# Altium PCB EVK-NORA-W40.PcbDoc (part 1 of 5) (continued)
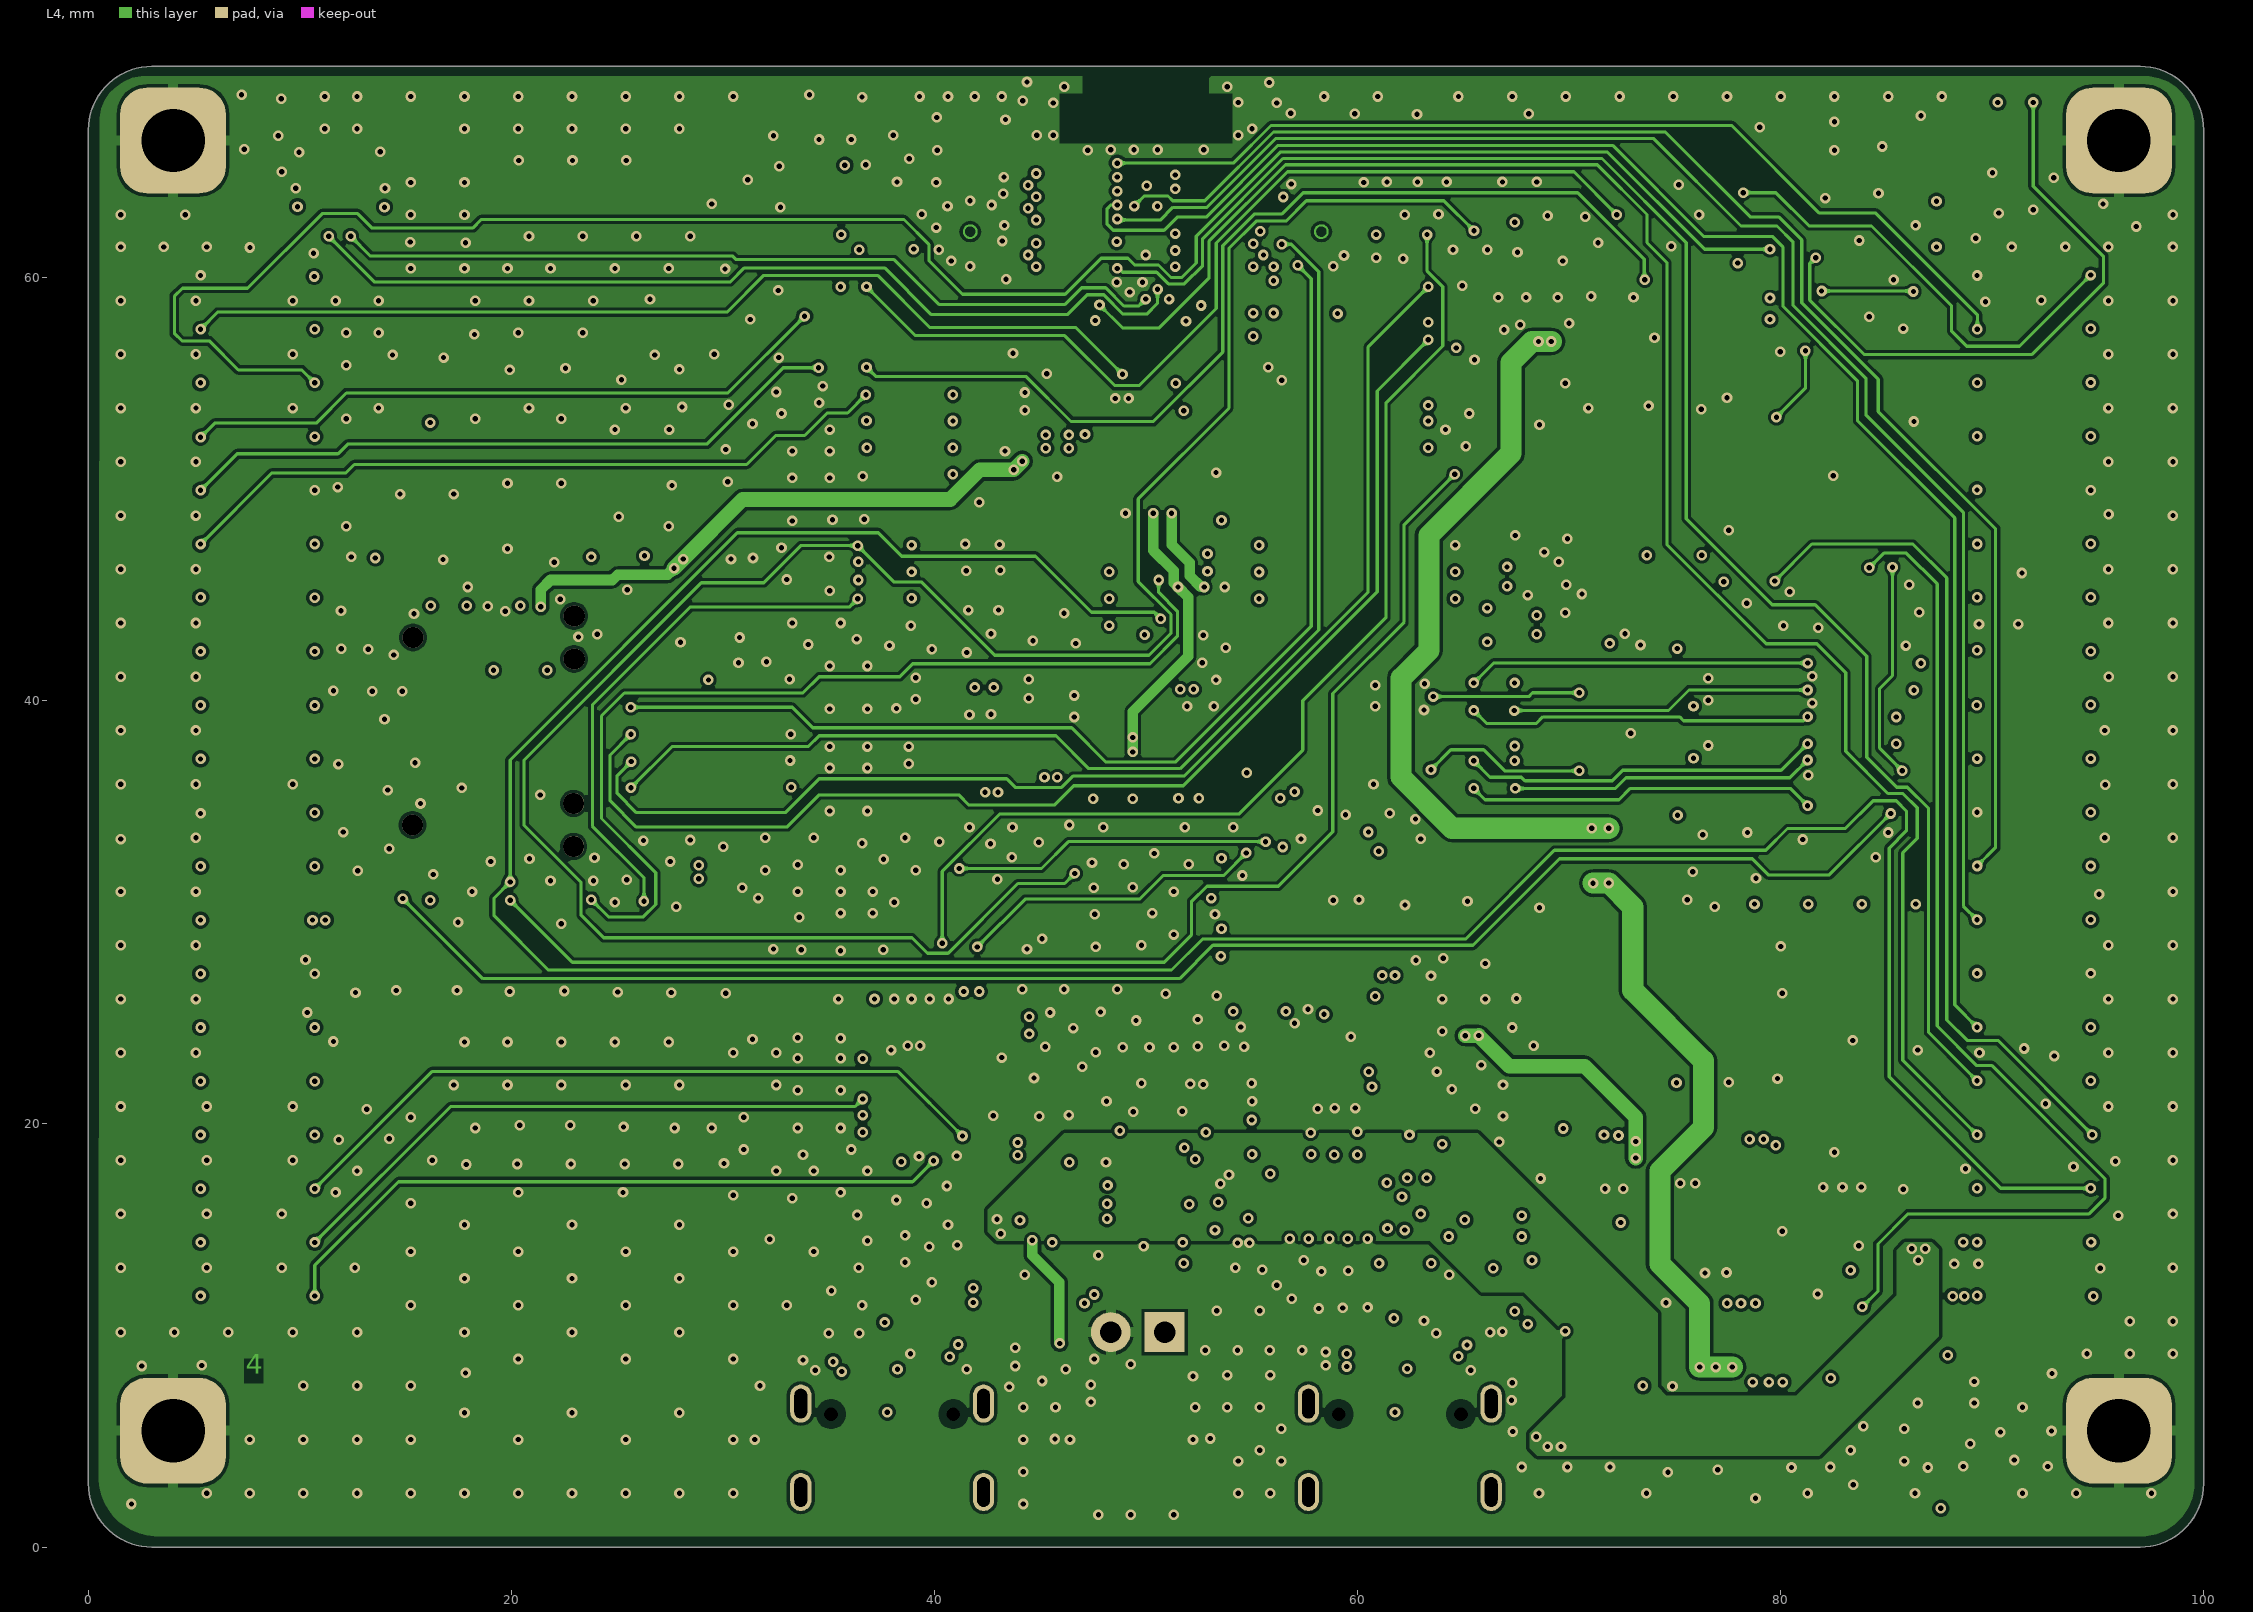
[diagram p4: L4]
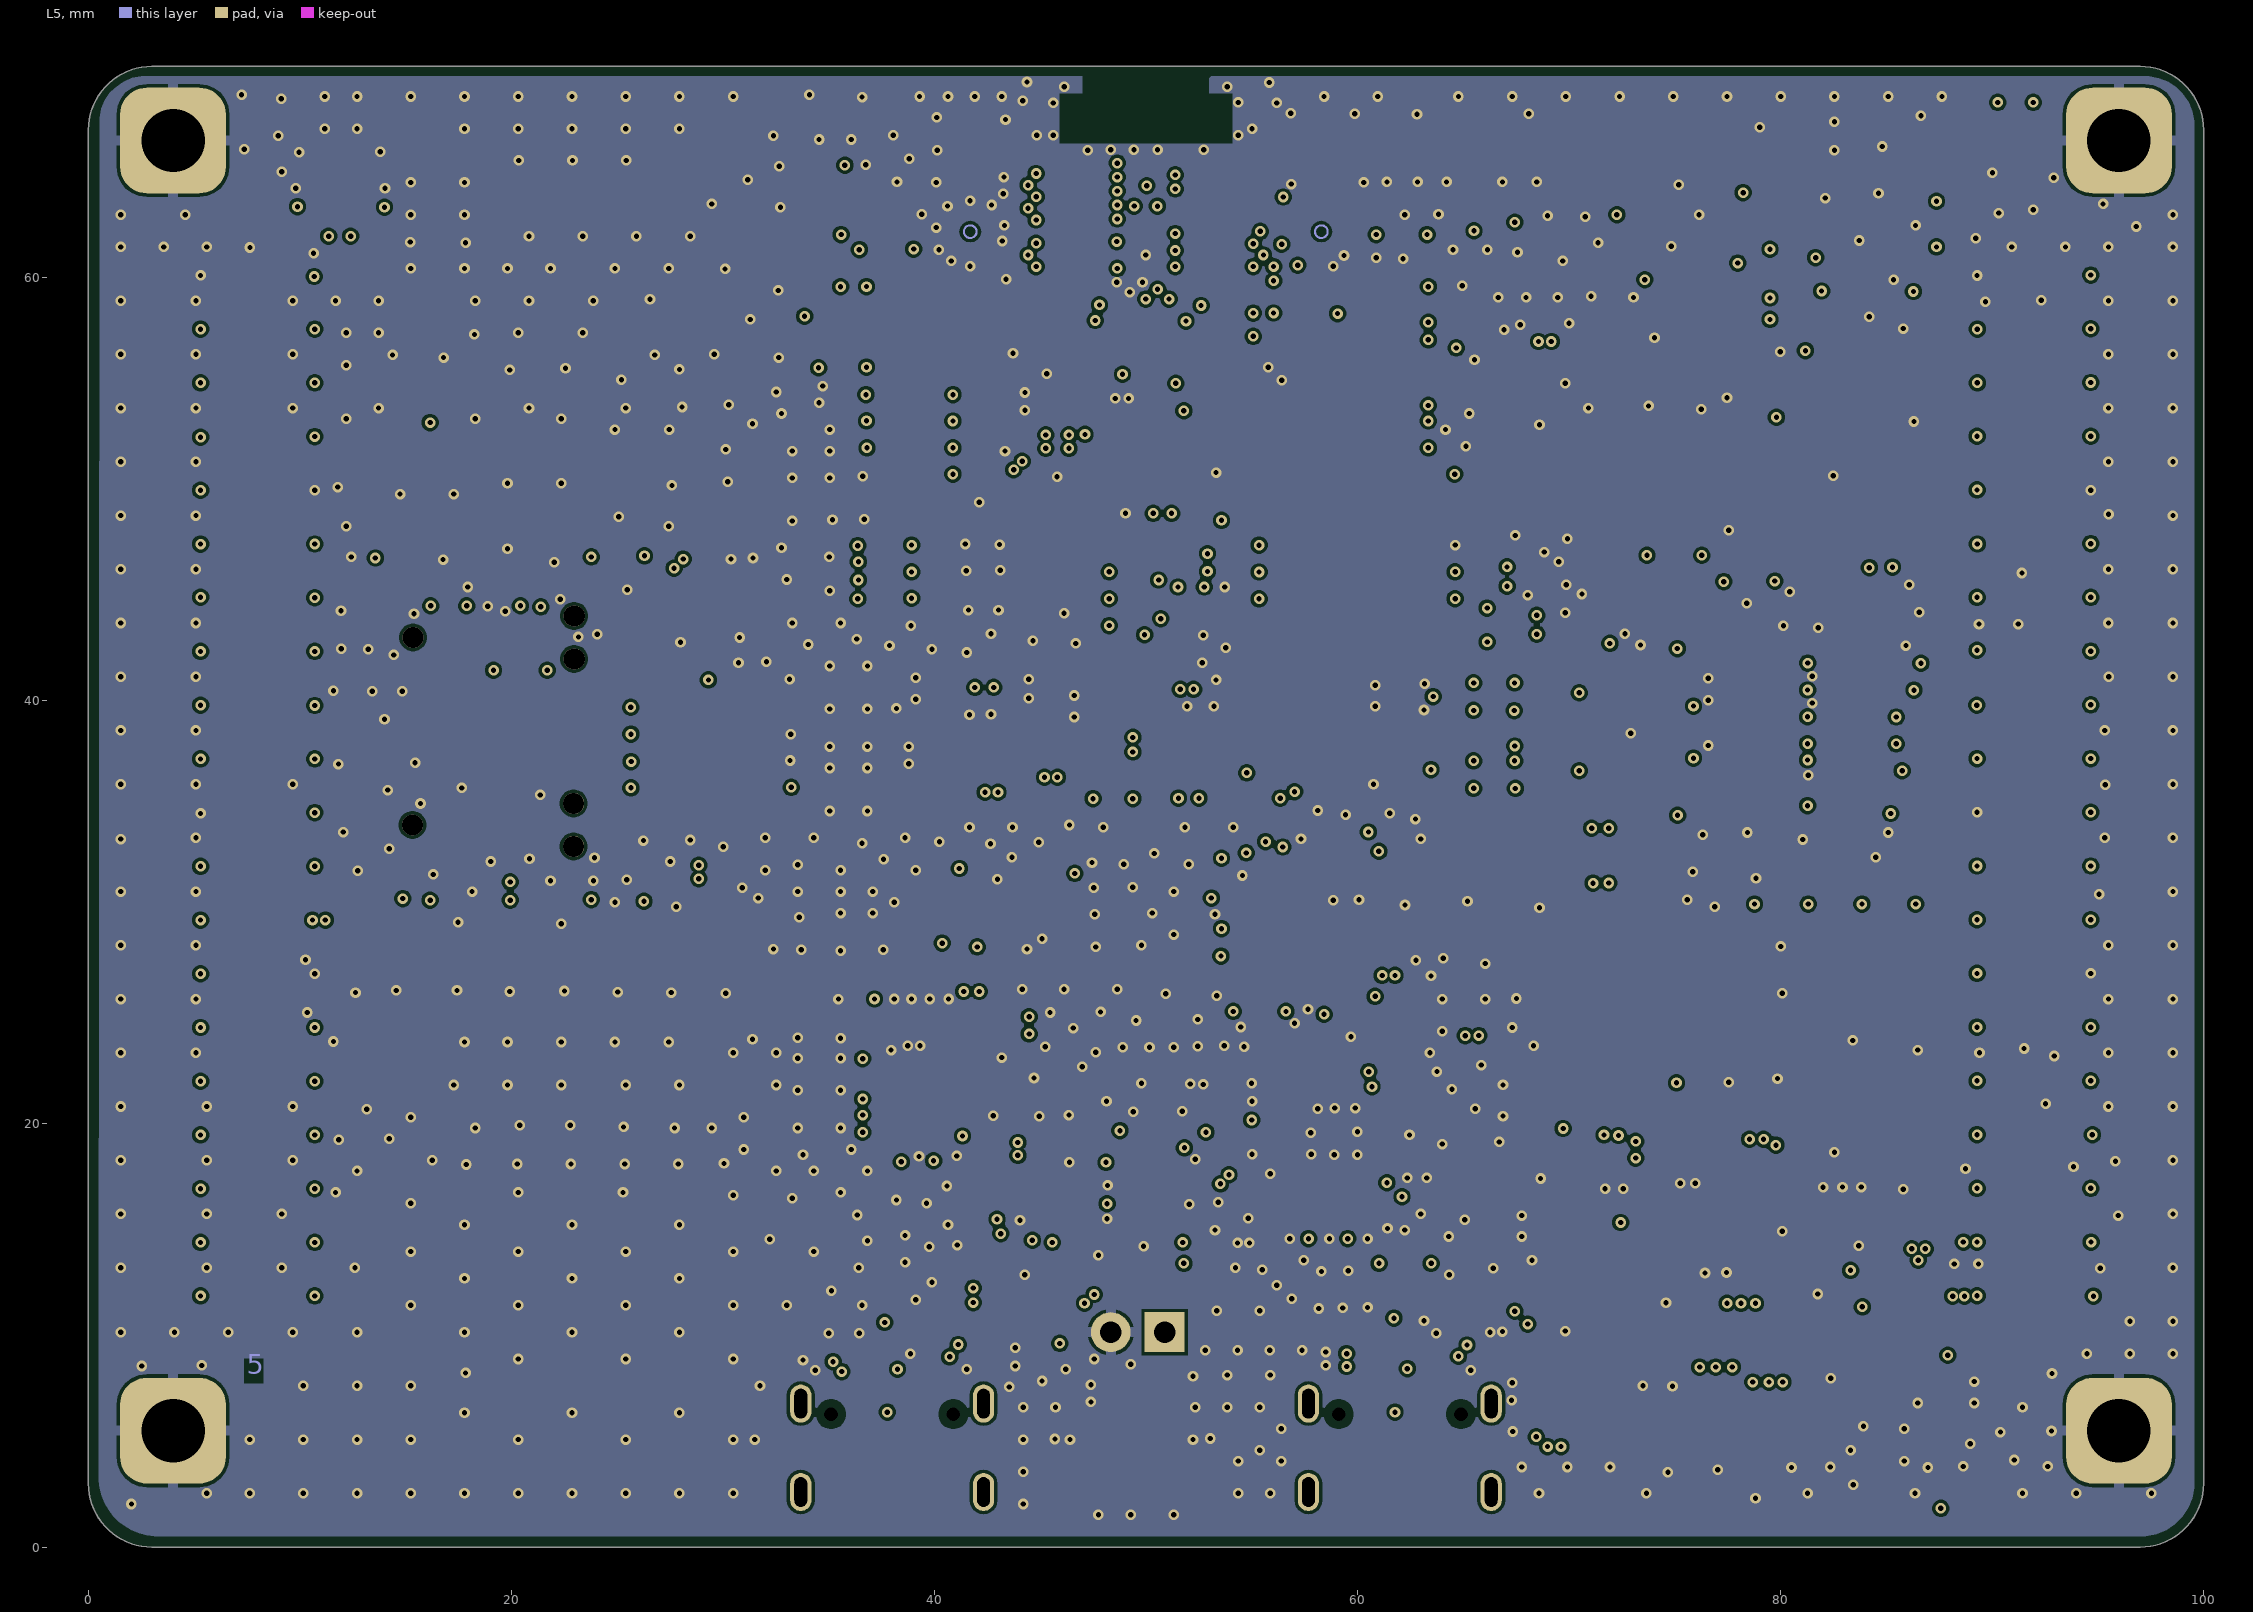
[diagram p5: L5]

## Layer stack, top to bottom
Top Solder: solder mask 0.01, Solder Resist, Dk 3.5
L1: signal copper 0.035
Dielectric 1: prepreg 0.2184, PP-023, Dk 4.5
L2: signal copper 0.035
Dielectric 2: core 0.36, Core-034, Dk 4.6
L3: signal copper 0.035
Core: prepreg 0.1803, PP-021, Dk 4.7
L4: signal copper 0.035
Dielectric 4: core 0.36, Core-034, Dk 4.6
L5: signal copper 0.035
Dielectric 3: prepreg 0.2184, PP-023, Dk 4.5
L6: signal copper 0.035
Bottom Solder: solder mask 0.01, Solder Resist, Dk 3.5

## Board outline
3,0 97,0 ccw(c97,3) 100,3 100,67 ccw(c97,67) 97,70 3,70 ccw(c3,67) 0,67 0,3 ccw(c3,3)

## Design rules (kind name [scope] priority, off if disabled: settings)
BoardOutlineClearance [All] p1: gap=0.356 ignorepadtopadclearanceinfootprint=FALSE
Clearance [(InDifferentialPairClass('All Differential Pairs')) vs IsRegion] p1: gap=0.25 ignorepadtopadclearanceinfootprint=FALSE
Clearance Clearance_1 [InPolygon vs (InDifferentialPairClass('All Differential Pairs'))] p2: gap=0.3 ignorepadtopadclearanceinfootprint=FALSE
Clearance Clearance_Poly_1 [InPolygon vs (OnLayer('Keep-Out Layer')) OR (OnLayer('Multi-Layer') AND IsPad  AND Not(PadIsPlated))] p3: gap=0.15 ignorepadtopadclearanceinfootprint=FALSE except(0: Arc-Text Arc-Hole Track-Text Track-Hole SMDPad-Text SMDPad-Hole THPad-Text THPad-Hole Via-Text Via-Hole Fill-Text Fill-Hole Poly-Text Poly-Hole Region-Text Region-Hole Text-Text Text-Hole; 0.375: Arc-Poly Arc-Region Track-Poly Track-Region SMDPad-Poly SMDPad-Region THPad-Poly THPad-Region Via-Poly Via-Region Fill-Poly Fill-Region Poly-Poly Poly-Region Region-Region)
Clearance Clearance_2 [InNetClass('All Nets')] p4: gap=0.15 ignorepadtopadclearanceinfootprint=FALSE except(0: Arc-Text Arc-Hole Track-Text Track-Hole SMDPad-Text SMDPad-Hole THPad-Text THPad-Hole Via-Text Via-Hole Fill-Text Fill-Hole Poly-Text Poly-Hole Region-Text Region-Hole Text-Text Text-Hole)
ComponentClearance [All] p1: gap=0.127 collisioncheckmode=3 verticalgap=0.254 showdistances=FALSE
DiffPairsRouting [InDifferentialPairClass('All Differential Pairs')] p1: maxlimit=0.254 minlimit=0.127 mostfreqgap=0.152 toplayer_mingap=0.152 toplayer_minwidth=0.152 toplayer_maxwidth=0.203 toplayer_prefwidth=0.178 midlayer1_prefgap=0.127 midlayer1_minwidth=0.069 midlayer1_maxwidth=0.203 midlayer1_prefwidth=0.095 midlayer2_minwidth=0.381 midlayer2_maxwidth=0.381 midlayer2_prefwidth=0.381 midlayer3_minwidth=0.381 midlayer3_maxwidth=0.381 midlayer3_prefwidth=0.381 midlayer4_minwidth=0.381 midlayer4_maxwidth=0.381 midlayer4_prefwidth=0.381 bottomlayer_mingap=0.152 bottomlayer_minwidth=0.152 bottomlayer_maxwidth=0.203 bottomlayer_prefwidth=0.178 impedanceprofiledriven=TRUE maxuncoupledlength=12.7
Height [All] p1: minheight=0 maxheight=25.4 prefheight=2.54
HoleSize [All] p1: absolutevalues=TRUE maxlimit=2540 minlimit=0.2 maxpercent=80.000 minpercent=20.000
HoleToHoleClearance [All] p1: gap=0.152 allowstackedmicrovias=TRUE
MinimumSolderMaskSliver [All] p1: minsoldermaskwidth=0.076
NetAntennae [NOT (HasFootprint('Solderbridge-Option') OR HasFootprint('Solderbridge-Short'))] p1: netantennaetolerance=0
PlaneClearance [InPoly] p1: clearance=0.203
PlaneConnect [All] p1 off: planeconnectstyle=Relief reliefexpansion=0.508 reliefentries=4 reliefconductorwidth=0.5 reliefairgap=0.152
PolygonConnect ThermalVias [IsVia] p1: connectstyle=Direct reliefconductorwidth=0.254 reliefentries=4 polygonreliefangle="90 Angle" airgapwidth=0.254
PolygonConnect "PolygonConnect - Power" [InNet('GND')] p2: thpad.connectstyle=Relief thpad.reliefconductorwidth=0.5 thpad.reliefentries=4 thpad.polygonreliefangle="90 Angle" thpad.airgapwidth=0.152 smdpad.connectstyle=Relief smdpad.reliefconductorwidth=0.3 smdpad.reliefentries=4 smdpad.polygonreliefangle="90 Angle" smdpad.airgapwidth=0.152 via.connectstyle=Relief via.reliefconductorwidth=0.5 via.reliefentries=4 via.polygonreliefangle="90 Angle" via.airgapwidth=0.152
PolygonConnect PolygonConnect-BGA [InComponentClass('')] p3: connectstyle=Relief reliefconductorwidth=0.152 reliefentries=4 polygonreliefangle="45 Angle" airgapwidth=0.3
PolygonConnect PolygonConnect-General [All] p4: connectstyle=Direct reliefconductorwidth=0.152 reliefentries=4 polygonreliefangle="90 Angle" airgapwidth=0.152
RoutingVias [All] p1: holewidth=0.254 width=0.508 viastyle="Through Hole" minholewidth=0.2 minwidth=0.457 maxholewidth=0.305 maxwidth=0.61
SMDEntry [All] p1: side=TRUE corner=TRUE anyangle=TRUE
SilkToBoardRegionClearance [All] p1 off:
SilkToSilkClearance [All] p1 off: silktosilkclearance=0.025
SilkToSolderMaskClearance [IsPad] p1 off: minsilkscreentomaskgap=0 clearancetoexposedcopper=TRUE
SolderMaskExpansion SolderMaskExpansion_via [IsVia] p1: expansion=-0.254 istentingtop=FALSE
SolderMaskExpansion [All] p2: expansion=0.05 istentingtop=FALSE
UnRoutedNet [All] p1: checkbadconnections=TRUE
Width [All] p1: maxlimit=5.08 minlimit=0.15 preferedwidth=0.15 toplayer_maxwidth=2.54 midlayer1_maxwidth=2.54 midlayer2_maxwidth=2.54 midlayer3_maxwidth=2.54 midlayer4_maxwidth=2.54 minimp=50.000000 maximp=50.000000 favimp=50.000000
17 further rules are at their usual default settings.

## Classes and differential pairs
net class USB: C9/IO13/USB_p D9/IO12/USB_n USB_n USB_p
component class EVK-NORA-W4_SCHEM_0005_MikroE_ULED: C51 C52 C53 C54 D13 D14 D15 D16 D17 D18 D19 D20 J15 J16 J17 J18 J19 J20 R27 R121 R122 R123 R124 R129 R132 R134 R135 R136 R137 R138 R139 R140 R141 R142 R143 R144 R145 R146 R147 RGB1 RGB2 TP45 TP46 TP47 TP48 TP49 TP50 TP51 TP52 TP53 TP54 TP55 TP56 TP57 TP58 TP59 TP60 TP61 TP62 TP63 TP64 TP65 TP66 TP67 TP68 TP69 TP70 TP71 TP72 TP73 TP74 TP75 TP76 TP77 TP78 TP79 TP80 TP81 TP82 TP83 TP84 TP85 TP86 TP87 TP88 TP89 TP90 TP91 TP92 TP93 TP94 TP95 TP96 TP97 TP98 TP99 TP100 TP101 TP102 TP103 TP104 TP105 TP106 TP107 TP108 TP109 TP110 TP111 TP112 TP113 TP114 TP115 TP116 TP117 TP118 TP119 TP120 TP121 TP122 TP123 TP124 U11 U12 U13
component class EVK-NORA-W4_SCHEM_0004_Debug_Memory: C29 C30 C31 C32 C33 D9 D10 D11 D12 J9 J10 J11 J12 J13 R57 R58 R59 R60 R61 R62 R63 R64 R65 R66 R67 R68 R69 R70 R71 R72 R73 R74 R75 R76 R77 R78 R79 R80 R81 R82 R83 R84 SW2 SW3 SW4 SW5 TP10 TP11 TP12 TP13 TP14 TP15 TP16 TP17 TP18 TP19 TP20 TP21 TP22 TP23 TP24 TP25 U5 U6
component class EVK-NORA-W4_SCHEM_0003_USBhub_FTDI: C34 C35 C36 C37 C38 C39 C40 C41 C42 C43 C44 C45 C46 C47 C48 C49 C50 F4 F5 J14 R85 R86 R87 R88 R89 R90 R91 R92 R93 R94 R95 R96 R97 R98 R99 R100 R101 R102 R103 R104 R105 R106 R107 R108 R109 R110 R111 R112 R113 R114 R115 R116 R117 R118 R119 R120 S4 TP26 TP27 TP28 TP29 TP30 TP31 TP32 TP33 TP34 TP35 TP36 TP37 TP38 TP39 TP40 TP41 TP42 TP43 TP44 U7 U8 U9 U10 X2
component class EVK-NORA-W4_SCHEM_0001_Power: C12 C13 C14 C15 C16 C17 C18 C19 C20 C21 C22 C23 C24 C25 C26 C27 C28 C55 C56 D2 D3 D4 D5 D6 D7 D8 D21 F1 F2 F3 J5 J6 J7 J8 L3 R26 R29 R30 R31 R32 R33 R34 R35 R36 R37 R38 R39 R40 R41 R42 R43 R44 R45 R46 R47 R48 R49 R50 R51 R52 R53 R54 R55 R56 R148 RT1 SW1 TP1 TP2 TP3 TP4 TP5 TP6 TP7 TP8 TP9 TP125 TP126 U2 U3 U4
component class EVK-NORA-W4_SCHEM_0002_NORA_Module: C1 C2 C3 C4 C5 C6 C7 C8 C9 C10 C11 J1 J2 J3 J4 L1 L2 R1 R2 R3 R4 R5 R6 R7 R8 R9 R10 R11 R12 R13 R14 R15 R16 R17 R18 R19 R20 R21 R22 R23 R24 R25 R28 S1 S2 S3 U1 X1
component class EVK-NORA-W4_SCHEM_0000_Topsheet: FID1 FID2 FID3 FID4 FID5 FID6
net class 50_ohm_se: NetC3_1 NetC8_1

## Components (designator, comment, footprint, x,y, rotation, side; value= is the part's Value field where it differs from the comment)
C1 "UBXH01-00040115P6" Cap_0402_1100Lx600Wx600H_600x600Pad_350G_FLX#1 36.757,12.522 r180 top value=5P6
C2 "UBXH01-00040115P6" Cap_0402_1100Lx600Wx600H_600x600Pad_350G_FLX#1 38.611,12.522 r0 top value=5P6
C3 "UBXH01-00120021P5" "Cap 0201 HD" 44.25,66.319 r90 top value=1P5
C4 "120-000160.1uF" "Cap 0402 HD"#1 45.418,54.61 r180 top value=0.1uF
C5 "UBXH01-00002434U7" "Cap 0402 HD"#1 45.415,53.772 r180 top value=4U7
C6 "120-000160.1uF" "Cap 0402 HD"#1 47.501,54.61 r0 top value=0.1uF
C7 "UBXH01-00002434U7" "Cap 0402 HD"#1 47.501,53.772 r0 top value=4U7
C8 "UBXH01-00120021P5" "Cap 0201 HD" 55.756,66.319 r90 top value=1P5
C9 "UBXH01-2021002100N" "Cap 0402 HD"#1 35.512,54.915 r270 top value=100N
C10 "UBXH01-000401718P" Cap_0402_1100Lx600Wx600H_600x600Pad_350G_FLX#1 52.454,51.232 r270 top value=18P
C11 "UBXH01-000401718P" Cap_0402_1100Lx600Wx600H_600x600Pad_350G_FLX#1 47.501,51.206 r270 top value=18P
C12 "UBXH01-000031010U" CAP_0603_1750Lx950Wx850H_600x1000Pad_900G_FLX 80.978,12.954 r0 top value=10U
C13 "UBXH01-000031010U" CAP_0603_1750Lx950Wx850H_600x1000Pad_900G_FLX 78.565,21.336 r90 top value=10U
C14 "120-000160.1uF" "Cap 0402 HD"#2 41.1,13.208 r270 top value=0.1uF
C15 "120-000160.1uF" "Cap 0402 HD"#1 42.726,8.534 r180 top value=0.1uF
C16 "UBXH01-300100522U" CAP_1210_3400Lx2700Wx1350H_900x2700Pad_1900G_FLX 69.272,21.438 r180 top value=22U
C17 "UBXH01-300100410U" CAP_1210_3400Lx2700Wx1350H_900x2700Pad_1900G_FLX 74.498,14.859 r90 top value=10U
C18 "UBXH01-0000204100N" Cap_0402_1100Lx600Wx600H_600x600Pad_350G_FLX#2 69.675,11.463 r270 top value=100N
C19 "UBXH01-00230193N3" Cap_0402_1100Lx600Wx600H_600x600Pad_350G_FLX#1 68.786,12.827 r0 top value=3N3
C20 "120-000160.1uF" "Cap 0402 HD"#2 66.472,12.065 r270 top value=0.1uF
C21 "UBXH01-00002434U7" "Cap 0402 HD"#3 52.73,16.713 r270 top value=4U7
C22 "UBXH01-00002434U7" "Cap 0402 HD"#3 50.117,20.193 r90 top value=4U7
C23 "UBXH01-00002434U7" "Cap 0402 HD"#3 51.006,20.193 r90 top value=4U7
C24 "120-000160.1uF" "Cap 0402 HD"#1 66.716,8.526 r180 top value=0.1uF
C25 "UBXH01-2021002100N" "Cap 0402 HD"#2 53.089,13.208 r180 top value=100N
C26 "UBXH01-000402468P" "Cap 0402 HD"#3 53.089,12.319 r0 top value=68P
C27 "UBXH01-000401718P" Cap_0402_1100Lx600Wx600H_600x600Pad_350G_FLX#3 52.959,14.097 r180 top value=18P
C28 "UBXH01-00002434U7" "Cap 0402 HD"#1 52.149,14.986 r0 top value=4U7
C29 "UBXH01-002302510N" Cap_0402_1100Lx600Wx600H_600x600Pad_350G_FLX#1 87.942,6.782 r0 top value=10N
C30 "120-000160.1uF" "Cap 0402 HD"#1 48.542,47.777 r270 top value=0.1uF
C31 "UBXH01-00002434U7" "Cap 0402 HD"#1 49.431,47.777 r270 top value=4U7
C32 "120-000160.1uF" "Cap 0402 HD"#1 54.537,44.343 r270 top value=0.1uF
C33 "UBXH01-00002434U7" "Cap 0402 HD"#1 53.648,44.343 r270 top value=4U7
C34 "UBXH01-0000594300P" "Cap 0402 HD"#1 12.779,64.282 r180 top value=300P
C35 "UBXH01-0000594300P" "Cap 0402 HD"#1 11.001,64.282 r180 top value=300P
C36 "120-000160.1uF" "Cap 0402 HD"#3 59.972,28.981 r0 top value=0.1uF
C37 "120-000160.1uF" "Cap 0402 HD"#3 59.972,29.82 r0 top value=0.1uF
C38 "UBXH01-00002434U7" "Cap 0402 HD"#3 59.972,28.092 r0 top value=4U7
C39 "120-000160.1uF" "Cap 0402 HD"#3 61.417,16.129 r270 top value=0.1uF
C40 "120-000160.1uF" "Cap 0402 HD"#3 57.864,26.441 r270 top value=0.1uF
C41 "120-000160.1uF" "Cap 0402 HD"#3 38.941,24.765 r90 top value=0.1uF
C42 "120-000160.1uF" "Cap 0402 HD"#3 39.83,24.765 r90 top value=0.1uF
C43 "UBXH01-00002434U7" "Cap 0402 HD"#3 40.719,24.765 r90 top value=4U7
C44 "UBXH01-00002481U" "Cap 0402 HD"#3 55.73,20.574 r90 top value=1U
C45 "UBXH01-00002481U" "Cap 0402 HD"#1 55.728,18.974 r270 top value=1U
C46 "UBXH01-00130028P2" "Cap 0201 HD" 64.44,20.498 r90 top value=8P2
C47 "UBXH01-00130028P2" "Cap 0201 HD" 62.84,22.377 r0 top value=8P2
C48 "120-000160.1uF" "Cap 0402 HD"#3 42.497,22.606 r90 top value=0.1uF
C49 "120-000160.1uF" "Cap 0402 HD"#3 60.582,23.495 r90 top value=0.1uF
C50 "120-000160.1uF" "Cap 0402 HD"#1 46.231,29.159 r180 top value=0.1uF
C51 "120-000160.1uF" "Cap 0402 HD"#1 70.739,30.505 r180 top value=0.1uF
C52 "120-000160.1uF" "Cap 0402 HD"#1 70.764,46.558 r0 top value=0.1uF
C53 "120-000160.1uF" "Cap 0402 HD"#1 29.261,46.711 r0 top value=0.1uF
C54 "120-000160.1uF" "Cap 0402 HD"#1 29.261,30.683 r180 top value=0.1uF
C55 "UBXH01-00002481U" "Cap 0402 HD"#1 41.402,16.891 r270 top value=1U
C56 "UBXH01-00002481U" "Cap 0402 HD"#1 44.882,16.15 r180 top value=1U
D2 "110-00005" SOD-123F_U#1 86.512,16.637 r90 top
D3 "110-00005" SOD-123F_U#2 43.005,12.319 r270 top
D4 "110-00018" SOT-553 38.151,10.516 r90 top
D5 "UBXH12-0000539" SOT-23-5_2 44.018,18.237 r180 top value=MAX40203AUK+T
D6 "110-00005" SOD-123F_U#1 68.707,7.62 r90 top
D7 "110-00018" SOT-553 62.23,10.693 r90 top
D8 "LTST-C195KGJRKT" LTSTC195KGJRKT 45.847,13.157 r270 top
D9 "110-00019" SOD-923 87.884,4.851 r0 top
D10 "110-00019" SOD-923 73.533,63.9 r0 top
D11 "110-00019" SOD-923 81.026,63.9 r0 top
D12 "110-00019" SOD-923 65.913,63.9 r0 top
D13 "UBXH11-0000001" LED_0603_GREEN 74.55,36.703 r0 top value=GREEN
D14 "UBXH11-0000057" LED_0603_YELLOW 74.55,35.433 r0 top value=YELLOW
D15 "UBXH11-0000001" LED_0603_GREEN 74.55,39.116 r0 top value=GREEN
D16 "UBXH11-0000057" LED_0603_YELLOW 74.55,37.846 r0 top value=YELLOW
D17 "UBXH11-0000057" LED_0603_YELLOW 74.55,40.386 r0 top value=YELLOW
D18 "UBXH11-0000001" LED_0603_GREEN 74.55,41.656 r0 top value=GREEN
D19 "UBXH11-0000001" LED_0603_GREEN 89.205,1.803 r180 top value=GREEN
D20 "1N4148WTQ-7" SODFL1608X65N 80.899,61.595 r0 top
D21 "110-00005" SOD-123F_U#1 79.375,5.055 r90 top
F1 "UBXH08-0000001" IND_0603_1750Lx950Wx1050H_600x800Pad_800G_FLX#1 41.1,11.2 r90 top value=600OHM
F2 "UBXH08-0000001" IND_0603_1750Lx950Wx1050H_600x800Pad_800G_FLX#1 65.202,11.2 r90 top value=600OHM
F3 "UBXH08-0000001" IND_0603_1750Lx950Wx1050H_600x800Pad_800G_FLX#1 51.206,12.319 r180 top value=600OHM
F4 "UBXH08-0000001" IND_0603_1750Lx950Wx1050H_600x800Pad_800G_FLX#2 59.769,27.076 r180 top value=600OHM
F5 "UBXH08-0000001" IND_0603_1750Lx950Wx1050H_600x800Pad_800G_FLX#1 41.735,24.765 r270 top value=600OHM
FID1 "FID" FIDUCIAL40 7.874,64.135 r90 bottom
FID2 "FID" FIDUCIAL40 7.874,64.135 r90 top
FID3 "FID" FIDUCIAL40 4.394,1.626 r90 bottom
FID4 "FID" FIDUCIAL40 4.394,1.626 r90 top
FID5 "FID" FIDUCIAL40 95.733,1.6 r90 bottom
FID6 "FID" FIDUCIAL40 95.733,1.6 r90 top
J1 "130-00067" U.FL_3Pin 41.708,66.04 r90 top
J2 "130-00067" U.FL_3Pin 58.347,66.04 r270 top
J3 "UBXH04-0000792" HDR-0.1P-3Pin-1Row-SMT 43,39 r0 top locked value=M20-8770342
J4 "UBXH04-0000792" HDR-0.1P-3Pin-1Row-SMT 57,39 r0 top locked value=M20-8770342
J5 "USB4105-GF-A" USB4105-GF-A 38,2.6 r0 top locked
J6 "USB4105-GF-A" USB4105-GF-A 62,2.6 r0 top locked
J7 "UBXH04-0000791" B2B-PH-SM4-TB 49.498,5.334 r180 top value=B2B-PH-SM4-TB
J8 "UBXH04-0000026" HDR-0.1P-2PIN-TH 49.609,10.16 r90 top value=M20-9990245
J9 "130-00099" HDR.050P-10Pin-2x5-SMT_Key 29.568,38.456 r90 top
J10 "TC2050-IDC-NLDNP" TC2050-IDC-NL 16.589,34.773 r0 bottom
J11 "TC2050-IDC-NLDNP" TC2050-IDC-NL 16.614,43.637 r0 bottom
J12 "UBXH04-0000797" SM04B-SRSS-TB 35.258,68.072 r180 top value=SM04B-SRSS-TB
J13 "130-00062" Micro_SD_SKT_SMT_RA 23.53,64.008 r180 top locked
J14 "UBXH04-0000798" "AVX/Kyocera - 046284005001846" 11.89,67.818 r180 top value=046284005001846
J15 "95157-440LF" M208762042#1 94.5,36 r270 top locked
J16 "95157-440LF" M208762042#2 5.5,36 r270 top locked
J17 "130-00102" SKT-0.1P-SSM-108-L-SV 77.5,27.14 r180 top locked
J18 "130-00102" SKT-0.1P-SSM-108-L-SV 77.5,50 r180 top locked
J19 "130-00102" SKT-0.1P-SSM-108-L-SV 22.5,27.14 r0 top locked
J20 "130-00102" SKT-0.1P-SSM-108-L-SV 22.5,50 r0 top locked
L1 "UBXH09-00000301N5" IND_0201_630Lx330Wx330H_300x300Pad_250G_FLX 44.247,67.539 r90 top value=1N5
L2 "UBXH09-00000301N5" IND_0201_630Lx330Wx330H_300x300Pad_250G_FLX 55.756,67.437 r90 top value=1N5
L3 "UBXH09-00003302U2" IND_0603_1800Lx1000Wx1000H_600x1000Pad_650G_FLX 71.021,18.542 r0 top value=2U2
R1 "UBXH18-00030020R" "RES 0402 HD"#1 34.928,56.515 r180 top value=0R
R2 "UBXH18-00030020R" "RES 0402 HD"#1 34.934,58.191 r180 top value=0R
R3 "UBXH18-00030020R" "RES 0402 HD"#1 44.145,52.375 r90 top value=0R
R4 "UBXH18-00030020R" "RES 0402 HD"#1 60.277,54.508 r180 top value=0R
R5 "UBXH18-00030020R" "RES 0402 HD"#1 60.277,51.968 r180 top value=0R
R6 "UBXH18-00030010R" RES_0603_1700Lx950Wx600H_600x1000Pad_800G_FLX#1 45.901,35.382 r0 top value=0R
R7 "UBXH18-00030020R" "RES 0402 HD"#1 60.302,50.698 r180 top value=0R
R8 "UBXH18-00030020R" "RES 0402 HD"#1 60.277,53.238 r180 top value=0R
R9 "UBXH18-00030020R" RES_0402_1100Lx600Wx400H_500x600Pad_400G_FLX#1 49.581,53.01 r270 top value=0R
R10 "UBXH18-00030010R" RES_0603_1700Lx950Wx600H_600x1000Pad_800G_FLX#1 54.079,35.408 r180 top value=0R
R11 "UBXH18-00030020R" RES_0402_1100Lx600Wx400H_500x600Pad_400G_FLX#1 50.394,53.01 r270 top value=0R
R12 "UBXH18-00030020R" "RES 0402 HD"#1 40.059,55.778 r0 top value=0R
R13 "UBXH18-00030020R" "RES 0402 HD"#1 40.059,57.048 r0 top value=0R
R14 "UBXH18-00030020R" RES_0402_1100Lx600Wx400H_500x600Pad_400G_FLX#1 60.277,55.778 r180 top value=0R
R15 "UBXH18-00030020R" "RES 0402 HD"#1 40.059,59.588 r0 top value=0R
R16 "UBXH18-00030020R" "RES 0402 HD"#1 40.059,58.318 r0 top value=0R
R17 "UBXH18-00030020R" RES_0402_1100Lx600Wx400H_500x600Pad_400G_FLX#1 62.07,62.052 r0 top value=0R
R18 "UBXH18-00030020R" "RES 0402 HD"#1 60.252,59.588 r0 top value=0R
R19 "UBXH18-00030020R" "RES 0402 HD"#1 39.665,54.508 r0 top value=0R
R20 "UBXH18-00030020R" "RES 0402 HD"#1 60.252,58.318 r0 top value=0R
R21 "UBXH18-00030020R" "RES 0402 HD"#1 51.685,52.603 r0 top value=0R
R22 "UBXH18-00030020R" "RES 0402 HD"#1 39.671,50.698 r0 top value=0R
R23 "UBXH18-00030020R" "RES 0402 HD"#1 39.678,51.968 r0 top value=0R
R24 "UBXH18-00030020R" "RES 0402 HD"#1 39.671,53.238 r0 top value=0R
R25 "UBXH18-00030020R" "RES 0402 HD"#1 48.288,52.603 r180 top value=0R
R26 "UBXH18-00030010R" RES_0603_1700Lx950Wx600H_600x1000Pad_800G_FLX#2 48.895,12.319 r0 top value=0R
R27 "UBXH18-00030020R" "RES 0402 HD"#1 77.724,46.431 r180 top value=0R
R28 "UBXH18-00030020R" "RES 0402 HD"#1 60.277,57.048 r0 top value=0R